# Altium PCB RFSoC-AMC.PcbDoc (part 2 of 12)
Units mm, origin at the board's own origin, x right, y up, seen from the top; angles counter-clockwise.
Board outline 180.55 x 148.45 mm, 10 copper layers (Layer 1, Layer 2, Layer 3, Layer 4, Layer 5, Layer 6, Layer 7, Layer 8, Layer 9, Layer 10), stack 1.544 mm thick; 793 components, 796 nets, 7654 pads, 16 vias.
Unrouted connection lines stored in the file: 2880.
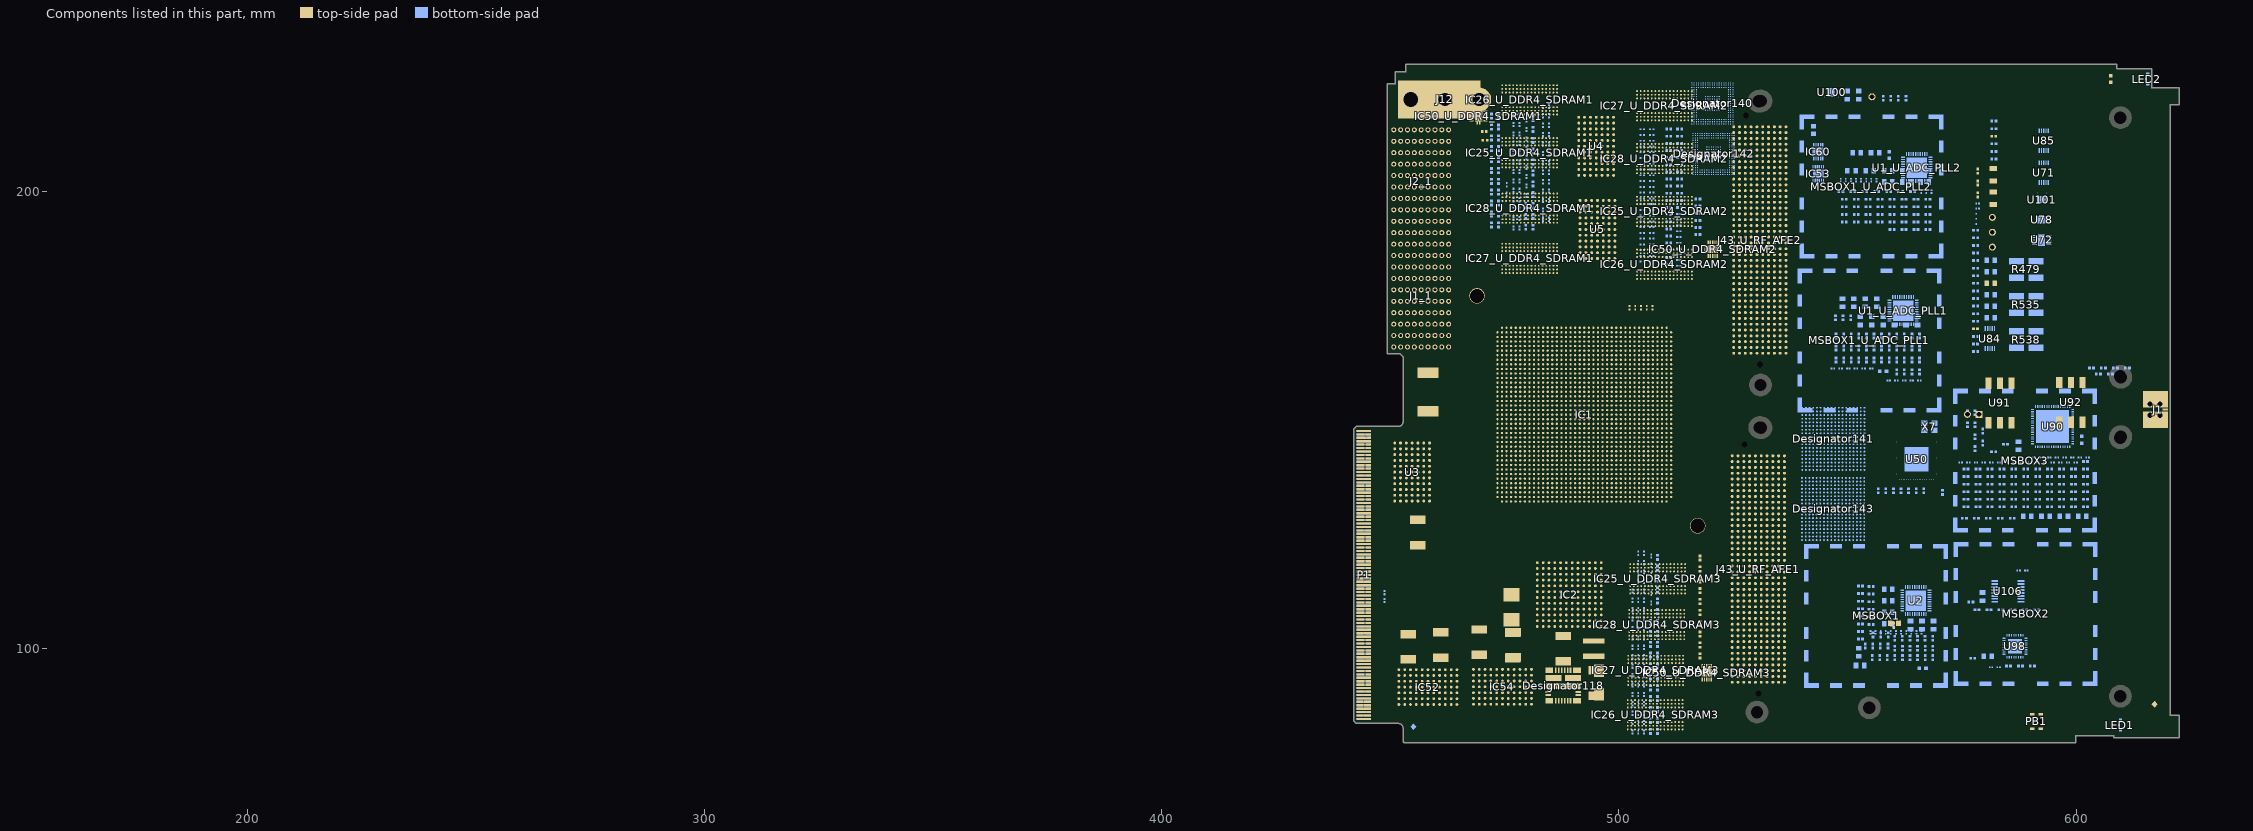
[diagram p10: the components of this part, seen from the top]

## Components (designator, comment, footprint, x,y, rotation, side; value= is the part's Value field where it differs from the comment) (continued)
C655_U_ADC_PLL1 "1UF" 0402 550.701,172.392 r90 bottom (schematic designator C655)
C655_U_ADC_PLL2 "1UF" 0402 551.177,199.973 r180 bottom (schematic designator C655)
C656_U_ADC_PLL1 "0.068UF" 0402 559.117,168.384 r90 bottom (schematic designator C656)
C656_U_ADC_PLL2 "0.068UF" 0402 553.79,199.973 r180 bottom (schematic designator C656)
C657_U_ADC_PLL1 "390PF" 0402 557.459,168.384 r90 bottom (schematic designator C657)
C657_U_ADC_PLL2 "390PF" 0402 559.757,193.322 r180 bottom (schematic designator C657)
C658_U_ADC_PLL1 "1800PF" 0402 560.775,168.384 r90 bottom (schematic designator C658)
C658_U_ADC_PLL2 "1800PF" 0402 557.143,193.322 r180 bottom (schematic designator C658)
C659_U_ADC_PLL1 "DNP" 0402 564.091,168.384 r90 bottom (schematic designator C659)
C659_U_ADC_PLL2 "DNP" 0402 554.529,193.322 r180 bottom (schematic designator C659)
C660_U_ADC_PLL1 "10UF" 0805 553.908,175.69 r90 bottom (schematic designator C660)
C660_U_ADC_PLL2 "10UF" 0805 552.031,208.475 r180 bottom (schematic designator C660)
C661_U_ADC_PLL1 "10UF" 0805 552.784,171.682 r90 bottom (schematic designator C661)
C661_U_ADC_PLL2 "10UF" 0805 562.906,202.056 r180 bottom (schematic designator C661)
C662_U_ADC_PLL1 "1UF" 0402 562.433,168.384 r90 bottom (schematic designator C662)
C662_U_ADC_PLL2 "1UF" 0402 567.598,193.322 r180 bottom (schematic designator C662)
C663_U_ADC_PLL1 "10UF" 0805 555.292,171.682 r90 bottom (schematic designator C663)
C663_U_ADC_PLL2 "10UF" 0805 554.89,204.564 r180 bottom (schematic designator C663)
C664_U_ADC_PLL1 "0.1UF" 0402 554.143,165.77 r90 bottom (schematic designator C664)
C664_U_ADC_PLL2 "0.1UF" 0402 564.985,193.322 r180 bottom (schematic designator C664)
C665_U_ADC_PLL1 "0.1UF" 0402 550.827,163.156 r90 bottom (schematic designator C665)
C665_U_ADC_PLL2 "0.1UF" 0402 562.371,193.322 r180 bottom (schematic designator C665)
C666 "100PF" 0402 555.174,105.311 r0 bottom
C667 "DNP" 0402 560.362,100.096 r90 bottom
C668 "10UF" 0805 560.276,105.546 r180 top
C669 "10UF" 0805 568.796,105.177 r90 bottom
C670 "0.1UF" 0402 563.678,100.096 r90 bottom
C671 "10UF" 0805 566.288,105.177 r90 bottom
C672 "0.1UF" 0402 562.02,100.096 r90 bottom
C673 "100PF" 0402 555.174,106.969 r0 bottom
C674 "0.1UF" 0402 555.174,113.601 r0 bottom
C675 "100PF" 0402 568.637,102.285 r90 bottom
C676 "10UF" 0805 552.453,99.254 r270 bottom
C677 "10UF" 0805 552.757,96.308 r0 bottom
C678 "0.1UF" 0402 560.123,105.096 r270 top
C679 "10UF" 0805 563.78,105.177 r90 bottom
C680 "0.1UF" 0402 555.174,111.943 r0 bottom
C681 "DNP" 0402 555.174,108.627 r0 bottom
C682 "100PF" 0402 555.174,110.285 r0 bottom
C718_U_ADC_PLL1 "100PF" 0402 549.169,163.156 r90 bottom (schematic designator C718)
C718_U_ADC_PLL2 "100PF" 0402 564.985,191.664 r180 bottom (schematic designator C718)
C719 "0.1UF" 0402 565.336,100.096 r90 bottom
C720 "0.1UF" 0402 563.683,98.038 r90 bottom
C721 "0.1UF" 0402 562.025,98.038 r90 bottom
C722 "0.1UF" 0402 565.341,98.038 r90 bottom
C723 "0.1UF" 0402 568.657,98.038 r90 bottom
C724 "1UF" 0402 566.999,98.038 r90 bottom
C725 "10UF" 0805 558.904,112.996 r0 bottom
C726 "1UF" 0402 560.367,98.038 r90 bottom
C727 "0.068UF" 0402 568.652,100.096 r90 bottom
C728 "390PF" 0402 566.994,100.096 r90 bottom
C730 "0.1UF" 0402 596.832,135.995 r0 bottom
C731 "0.1UF" 0402 588.991,139.311 r0 bottom
C732 "10UF" 0805 587.403,144.406 r90 bottom
C733 "1UF" 0402 581.149,137.653 r0 bottom
C734 "0.1UF" 0402 602.06,139.311 r0 bottom
C735 "1UF" 0402 599.446,139.311 r0 bottom
C736 "1UF" 0402 578.536,137.653 r0 bottom
C737 "0.1UF" 0402 575.922,137.653 r0 bottom
C738 "0.1UF" 0402 591.605,131.021 r0 bottom
C739 "0.1UF" 0402 588.991,131.021 r0 bottom
C740 "0.1UF" 0402 594.218,131.021 r0 bottom
C741 "0.1UF" 0402 599.446,131.021 r0 bottom
C742 "0.1UF" 0402 596.832,131.021 r0 bottom
C743 "0.1UF" 0402 578.536,131.021 r0 bottom
C744 "0.1UF" 0402 575.922,131.021 r0 bottom
C745 "0.1UF" 0402 581.149,131.021 r0 bottom
C746 "0.1UF" 0402 586.377,131.021 r0 bottom
C747 "0.1UF" 0402 583.763,131.021 r0 bottom
C748 "0.1UF" 0402 580.8,128.513 r0 bottom
C749 "0.1UF" 0402 583.414,128.513 r0 bottom
C750 "0.1UF" 0402 586.028,128.513 r0 bottom
C751 "10UF" 0805 593.334,128.938 r0 bottom
C752 "10UF" 0805 597.342,128.938 r0 bottom
C753 "1UF" 0402 578.186,128.513 r0 bottom
C754 "0.1UF" 0402 586.377,132.679 r0 bottom
C755 "100nF" CAPC0603X33N 448.751,112.259 r270 bottom
C758 "0.1UF" 0402 588.991,132.679 r0 bottom
C759 "0.1UF" 0402 581.149,132.679 r0 bottom
C761 "0.1UF" 0402 583.763,132.679 r0 bottom
C762 "0.1UF" 0402 591.605,132.679 r0 bottom
C763 "10UF" 0805 601.35,128.938 r0 bottom
C764 "0.1UF" 0402 599.446,132.679 r0 bottom
C765 "1000PF" 0402 602.06,132.679 r0 bottom
C766 "0.1UF" 0402 594.218,132.679 r0 bottom
C767 "0.1UF" 0402 596.832,132.679 r0 bottom
C768 "DNP" 0402 591.605,134.337 r0 bottom
C769 "0.1UF" 0402 594.218,134.337 r0 bottom
C770 "0.1UF" 0402 586.377,134.337 r0 bottom
C771 "0.1UF" 0402 588.991,134.337 r0 bottom
C772 "2200PF" 0402 596.832,134.337 r0 bottom
C773 "18PF" 0402 575.922,132.679 r0 bottom
C774 "10UF" 0805 589.326,128.938 r0 bottom
C775 "0.1UF" 0402 578.536,132.679 r0 bottom
C776 "DNP" 0402 599.446,134.337 r0 bottom
C777 "0.033UF" 0402 602.06,134.337 r0 bottom
C778 "680PF" 0402 602.06,131.021 r0 bottom
C779 "0.1UF" 0402 575.573,128.513 r0 bottom
C780 "0.1UF" 0402 604.884,160.069 r0 bottom
C781 "0.1UF" 0402 607.498,160.069 r0 bottom
C782 "1UF" 0402 579.572,144.968 r90 bottom
C783 "0.1UF" 0402 577.914,151.595 r90 bottom
C784 "0.1UF" 0402 579.572,147.582 r90 bottom
C808 "1800PF" 0402 555.393,98.038 r90 bottom
C809 "DNP" 0402 558.709,98.038 r90 bottom
C810 "10UF" 0805 558.904,105.472 r0 bottom
C811 "10UF" 0805 558.904,107.98 r0 bottom
C812 "1UF" 0402 557.051,98.038 r90 bottom
C813 "10UF" 0805 558.904,110.488 r0 bottom
C814 "0.1UF" 0402 566.979,102.285 r90 bottom
C815 "0.1UF" 0402 552.842,107.083 r0 bottom
C819 "DNP" CAPC0603X33N 448.751,110.559 r90 bottom
C821 "10UF" 0805 579.546,111.409 r90 bottom
C822 "1UF" 0402 588.788,108.532 r0 bottom
C823 "0.1UF" 0402 591.402,108.532 r0 bottom
C824 "1UF" 0402 590.452,96.213 r0 bottom
C827 "10UF" 0805 549.972,221.087 r270 bottom
C828 "0.047UF" 0402 557.814,220.378 r270 bottom
C829 "0.01UF" 0402 562.788,220.378 r270 bottom
C873 "22UF" 1206 581.896,203.697 r270 top
C874 "22UF" 1206 581.902,198.539 r90 top
C920 "100nF" CAPC1608X87N 542.569,213.449 r270 bottom
C948_U_ADC_PLL1 "DNP" 0402 552.485,163.156 r90 bottom (schematic designator C948)
C948_U_ADC_PLL2 "DNP" 0402 562.371,191.664 r180 bottom (schematic designator C948)
C949_U_ADC_PLL1 "DNP" 0402 555.801,163.156 r90 bottom (schematic designator C949)
C949_U_ADC_PLL2 "DNP" 0402 559.757,191.664 r180 bottom (schematic designator C949)
C952 "0.1UF" 0402 577.394,97.915 r0 bottom
C953 "10UF" 0805 580.692,98.34 r0 bottom
C954 "0.01UF" 0201 565.077,103.582 r90 bottom
C955 "0.01UF" 0201 563.959,103.582 r90 bottom
C960_U_ADC_PLL1 "0.01UF" 0201 564.063,158.664 r180 bottom (schematic designator C960)
C960_U_ADC_PLL2 "0.01UF" 0201 556.335,202.471 r90 bottom (schematic designator C960)
C961_U_ADC_PLL1 "0.01UF" 0201 565.74,158.664 r180 bottom (schematic designator C961)
C961_U_ADC_PLL2 "0.01UF" 0201 568.359,199.963 r90 bottom (schematic designator C961)
C962_U_ADC_PLL1 "0.01UF" 0201 546.814,161.278 r180 bottom (schematic designator C962)
C962_U_ADC_PLL2 "0.01UF" 0201 548.512,202.471 r90 bottom (schematic designator C962)
C963_U_ADC_PLL1 "0.01UF" 0201 559.034,158.664 r180 bottom (schematic designator C963)
C963_U_ADC_PLL2 "0.01UF" 0201 566.124,199.963 r90 bottom (schematic designator C963)
C964 "0.01UF" 0201 574.756,140.699 r0 bottom
C965 "0.01UF" 0201 602.516,141.817 r0 bottom
C966 "0.01UF" 0201 600.839,141.817 r0 bottom
C967 "0.01UF" 0201 579.785,140.699 r0 bottom
C968 "0.01UF" 0201 578.109,140.699 r0 bottom
C969 "0.01UF" 0201 576.432,140.699 r0 bottom
C970 "0.01UF" 0201 594.134,141.817 r0 bottom
C971 "0.01UF" 0201 592.457,141.817 r0 bottom
C972 "0.01UF" 0201 590.781,141.817 r0 bottom
C973 "0.01UF" 0201 599.163,141.817 r0 bottom
C974 "0.01UF" 0201 597.487,141.817 r0 bottom
C975 "0.01UF" 0201 595.81,141.817 r0 bottom
C976 "0.01UF" 0201 594.873,140.699 r0 bottom
C977 "0.01UF" 0201 593.196,140.699 r0 bottom
C978 "0.01UF" 0201 591.52,140.699 r0 bottom
C979 "0.01UF" 0201 599.902,140.699 r0 bottom
C980 "0.01UF" 0201 598.226,140.699 r0 bottom
C981 "0.01UF" 0201 596.549,140.699 r0 bottom
C982 "0.01UF" 0201 584.814,140.699 r0 bottom
C983 "0.01UF" 0201 581.39,95.943 r0 bottom
C984 "0.01UF" 0201 583.067,95.943 r0 bottom
C985 "0.01UF" 0201 587.428,117.105 r0 bottom
C986 "0.01UF" 0201 589.105,117.105 r0 bottom
C987 "0.01UF" 0201 583.138,140.699 r0 bottom
C988 "0.01UF" 0201 581.462,140.699 r0 bottom
C989 "0.01UF" 0201 578.482,197.375 r0 bottom
C990 "10UF" 0805 581.324,184.952 r0 bottom
C991 "1UF" 0402 582.034,210.421 r0 bottom
C992 "0.1UF" 0402 578.026,186.543 r0 bottom
C993 "0.01UF" 0201 578.482,196.258 r0 bottom
C1006_U_ADC_PLL1 "100PF" 0201 560.71,158.664 r180 bottom (schematic designator C1006)
C1006_U_ADC_PLL2 "100PF" 0201 567.242,199.963 r90 bottom (schematic designator C1006)
C1007_U_ADC_PLL1 "100PF" 0201 562.387,158.664 r180 bottom (schematic designator C1007)
C1007_U_ADC_PLL2 "100PF" 0201 552.982,202.471 r90 bottom (schematic designator C1007)
C1008_U_ADC_PLL1 "100PF" 0201 553.52,161.278 r180 bottom (schematic designator C1008)
C1008_U_ADC_PLL2 "100PF" 0201 554.1,202.471 r90 bottom (schematic designator C1008)
C1009_U_ADC_PLL1 "100PF" 0201 555.196,161.278 r180 bottom (schematic designator C1009)
C1009_U_ADC_PLL2 "100PF" 0201 555.218,202.471 r90 bottom (schematic designator C1009)
C1014 "100PF" 0201 558.371,103.582 r90 bottom
C1015 "100PF" 0201 561.724,103.582 r90 bottom
C1016 "100PF" 0201 560.607,103.582 r90 bottom
C1017 "100PF" 0201 559.489,103.582 r90 bottom
C1018_U_ADC_PLL1 "DNP" 0402 554.143,163.156 r90 bottom (schematic designator C1018)
C1018_U_ADC_PLL2 "DNP" 0402 551.916,193.322 r180 bottom (schematic designator C1018)
C1019_U_ADC_PLL1 "DNP" 0402 562.433,160.542 r90 bottom (schematic designator C1019)
C1019_U_ADC_PLL2 "DNP" 0402 549.302,193.322 r180 bottom (schematic designator C1019)
C1022 "DNP" 0402 552.842,108.741 r0 bottom
C1023 "DNP" 0402 552.842,103.767 r0 bottom
C1024 "DNP" 0402 552.842,105.425 r0 bottom
C1025 "DNP" 0402 552.842,113.715 r0 bottom
C1031 "DNP" 0402 588.991,137.653 r0 bottom
C1034 "DNP" 0402 591.605,137.653 r0 bottom
Designator110 "Comment" 342947 493.106,152.023 r180 top
Designator118 "Comment" "TEXAS_QFM (MOL)" 487.807,91.948 r90 top
Designator119 "Comment" IND_BOURNS_SRP6540 476.809,100.762 r90 top
Designator120 "Comment" IND_COILCRAFT_XAL5020 494.513,100.025 r90 top
Designator121 "Comment" IND_TDK_SPM6530 495.046,92.507 r90 top
Designator122 "Comment" IND_WURTH_WE-HCI_7050 495.63,92.608 r90 top
Designator123 "Comment" IND_WURTH_WE-LHMI_7030 476.479,109.068 r90 top
Designator140 "Comment" CPG236 520.455,219.251 r90 bottom
Designator141 "Comment" BGA324C80P18X18_1500X1500X150 546.919,145.904 r90 bottom
Designator142 "Comment" CPG236 520.725,208.204 r90 bottom
Designator143 "Comment" BGA324C80P18X18_1500X1500X150 546.862,130.556 r90 bottom
DS34_U_ADC_PLL1 "LED-GRN-SMT" LED_0603 557.787,160.719 r180 bottom (schematic designator DS34)
DS34_U_ADC_PLL2 "LED-GRN-SMT" LED_0603 559.16,207.977 r90 bottom (schematic designator DS34)
DS44 "LED-GRN-SMT" LED_0603 566.423,95.698 r180 bottom
DS45 "LED-GRN-SMT" LED_0603 601.22,145.714 r90 bottom
F1 "1.5A-15V" FUSR_TYCO_SMD150F-2 458.271,156.134 r90 top
FP2 "RTM_FRONTPANEL" RTM_FRONTPANEL 623.369,116.13 r0 top (schematic designator FP1)
FTG3 "Use only in PCB" FIDUCIAL_TOP_S100-200 455.071,82.929 r90 bottom
FTG5 "Use only in PCB" FIDUCIAL_TOP_S100-200 617.171,87.829 r90 top
FTG7 "Use only in PCB" FIDUCIAL_TOP_S100-200 617.171,87.829 r90 bottom
IC1 "XCZU27DR-1FSVG1517E" "XILINX_FSVG1517 (XCZU27DR)" 492.436,151.194 r180 top
IC2 "LTM4677IY#PBF" BGA144C127P12X12_1600X1600X521 489.153,111.836 r0 top
IC25_U_DDR4_SDRAM1 "MT40A512M16HA-083E:A" BGA96C80P9X16_900X1400X120 480.493,208.473 r90 top (schematic designator IC25)
IC25_U_DDR4_SDRAM2 "MT40A512M16HA-083E:A" BGA96C80P9X16_900X1400X120 509.98,195.641 r90 top (schematic designator IC25)
IC25_U_DDR4_SDRAM3 "MT40A512M16HA-083E:A" BGA96C80P9X16_900X1400X120 508.488,115.291 r270 top (schematic designator IC25)
IC26_U_DDR4_SDRAM1 "MT40A512M16HA-083E:A" BGA96C80P9X16_900X1400X120 480.493,220.031 r90 top (schematic designator IC26)
IC26_U_DDR4_SDRAM2 "MT40A512M16HA-083E:A" BGA96C80P9X16_900X1400X120 509.98,184.083 r90 top (schematic designator IC26)
IC26_U_DDR4_SDRAM3 "MT40A512M16HA-083E:A" BGA96C80P9X16_900X1400X120 507.935,85.547 r270 top (schematic designator IC26)
IC27_U_DDR4_SDRAM1 "MT40A512M16HA-083E:A" BGA96C80P9X16_900X1400X120 480.493,185.357 r90 top (schematic designator IC27)
IC27_U_DDR4_SDRAM2 "MT40A512M16HA-083E:A" BGA96C80P9X16_900X1400X120 509.98,218.757 r90 top (schematic designator IC27)
IC27_U_DDR4_SDRAM3 "MT40A512M16HA-083E:A" BGA96C80P9X16_900X1400X120 508.056,95.255 r270 top (schematic designator IC27)
IC28_U_DDR4_SDRAM1 "MT40A512M16HA-083E:A" BGA96C80P9X16_900X1400X120 480.539,196.342 r90 top (schematic designator IC28)
IC28_U_DDR4_SDRAM2 "MT40A512M16HA-083E:A" BGA96C80P9X16_900X1400X120 509.98,207.199 r90 top (schematic designator IC28)
IC28_U_DDR4_SDRAM3 "MT40A512M16HA-083E:A" BGA96C80P9X16_900X1400X120 508.285,105.255 r270 top (schematic designator IC28)
IC50_U_DDR4_SDRAM1 "TPS51200DRCT" "TEXAS_DRC (S-PVSON-N10)" 469.31,216.508 r180 top (schematic designator IC50)
IC50_U_DDR4_SDRAM2 "TPS51200DRCT" "TEXAS_DRC (S-PVSON-N10)" 520.514,187.383 r90 top (schematic designator IC50)
IC50_U_DDR4_SDRAM3 "TPS51200DRCT" "TEXAS_DRC (S-PVSON-N10)" 519.225,94.752 r90 top (schematic designator IC50)
IC52 "Comment" BGA77C127P7X11_900X1500X512 458.241,91.609 r270 top
IC53 "SN74CB3T3257PW" SON45P300X300X80-7N-R170X240 543.619,203.903 r90 bottom
IC54 "Comment" BGA77C127P7X11_900X1500X512 474.548,91.664 r270 top
IC60 "TXB0304RUTR" SON50P300X300X80-11N-R175X248 543.619,208.716 r270 bottom
J1 "SMA" CINCH_142-0761-881 619.508,152.28 r180 top
J1_1 "Advanced TCA" TYCO_6469081-1 456.771,177.229 r180 top (schematic designator J1)
J2_1 "Advanced TCA" TYCO_6469081-1 456.771,202.229 r180 top (schematic designator J2)
J11 "DNP" TP_KEY_MINI 581.702,187.832 r90 bottom
J12 "Family" TYCO_5120913-1 461.971,220.129 r180 top
J43_U_RF_AFE1 "VITA 57" SAMTEC_ASP-134488-01 530.504,117.424 r270 top (schematic designator J43)
J43_U_RF_AFE2 "VITA 57" SAMTEC_ASP-134488-01 530.835,189.382 r270 top (schematic designator J43)
J63 "DNP" TP_KEY_MINI 555.359,220.709 r0 bottom
J82 "DNP" TP_KEY_MINI 581.702,191.083 r90 bottom
J88 "DNP" TP_KEY_MINI 581.702,194.334 r90 bottom
J110 "HDR_1X2" HDR_1X2 578.775,151.264 r180 bottom
L43_U_ADC_PLL1 "15NH" 0402 560.775,160.542 r90 bottom (schematic designator L43)
L43_U_ADC_PLL2 "15NH" 0402 567.598,191.664 r180 bottom (schematic designator L43)
L44_U_ADC_PLL1 "15NH" 0402 564.091,160.542 r90 bottom (schematic designator L44)
L44_U_ADC_PLL2 "15NH" 0402 549.302,194.98 r180 bottom (schematic designator L44)
L52 "15NH" 0402 583.763,137.653 r0 bottom
L53 "15NH" 0402 586.377,137.653 r0 bottom
L54 "15NH" 0402 596.832,139.311 r0 bottom
L55 "15NH" 0402 578.536,139.311 r0 bottom
L56 "15NH" 0402 581.149,139.311 r0 bottom
L57 "15NH" 0402 602.06,140.969 r0 bottom
L58 "15NH" 0402 575.922,139.311 r0 bottom
L59 "15NH" 0402 583.763,139.311 r0 bottom
L60 "15NH" 0402 591.605,139.311 r0 bottom
L60_1 "0.0000015" IND_TDK_SPM6530 476.86,100.863 r270 top
L61 "15NH" 0402 594.218,139.311 r0 bottom
L62 "15NH" 0402 586.377,139.311 r0 bottom
L65 "15NH" 0402 552.842,112.057 r0 bottom
L68 "15NH" 0402 552.842,110.399 r0 bottom
L70 "15NH" 0402 576.998,110.234 r0 bottom
L73 "15NH" 0402 585.225,96.213 r0 bottom
L74 "15NH" 0402 582.008,212.079 r180 top
L96 "0.0000015" IND_TDK_SPM6530 469.494,101.429 r90 top
L97 "0.0000015" IND_TDK_SPM6530 453.974,100.432 r270 top
L98 "0.0000015" IND_TDK_SPM6530 487.883,100 r90 top
L99 "0.0000015" IND_TDK_SPM6530 456.032,125.4 r270 top
L100 "0.0000015" IND_TDK_SPM6530 461.01,100.813 r270 top
LED1 "Blue" LED_AVAGO_HSME-C120rev 609.741,83.299 r270 bottom
LED2 "Green" LED_AVAGO_HSME-C120rev 615.671,224.589 r270 bottom
LED17 "LED0603-P-RW120 or LYN971-Z" LED_0603R 607.571,223.882 r90 top
MSBOX1 "Metal Screening Box 4x5 Pins" MSBOX_WURTH_36103305 556.245,107.201 r180 bottom
MSBOX1_U_ADC_PLL1 "Metal Screening Box 4x5 Pins" MSBOX_WURTH_36103305 554.797,167.428 r180 bottom (schematic designator MSBOX1)
MSBOX1_U_ADC_PLL2 "Metal Screening Box 4x5 Pins" MSBOX_WURTH_36103305 555.254,201.079 r180 bottom (schematic designator MSBOX1)
MSBOX2 "Metal Screening Box 4x5 Pins" MSBOX_WURTH_36103305 588.965,107.591 r90 bottom
MSBOX3 "Metal Screening Box 4x5 Pins" MSBOX_WURTH_36103305 588.809,141.114 r180 bottom
P1 "AMC-CN-2S-M-R274" AMC-GF-2D-750-O274 444.221,116.129 r90 bottom
PB1 "Push Button" SW_C&K_HDT0001 591.321,84.079 r180 top
R8_U_ADC_PLL1 "0" 0402 547.511,163.156 r90 bottom (schematic designator R8)
R8_U_ADC_PLL2 "0" 0402 551.916,196.638 r180 bottom (schematic designator R8)
R53 "12.0K" 0201 589.844,140.699 r0 bottom
R54 "0" 0201 588.167,140.699 r0 bottom
R55 "0" 0201 586.491,140.699 r0 bottom
R73_U_ADC_PLL1 "12.0K" 0201 548.49,161.278 r180 bottom (schematic designator R73)
R73_U_ADC_PLL2 "12.0K" 0201 549.63,202.471 r90 bottom (schematic designator R73)
R79_U_ADC_PLL1 "12.0K" 0201 550.167,161.278 r180 bottom (schematic designator R79)
R79_U_ADC_PLL2 "12.0K" 0201 550.747,202.471 r90 bottom (schematic designator R79)
R97_U_ADC_PLL1 "49.9" 0402 565.749,160.542 r90 bottom (schematic designator R97)
R97_U_ADC_PLL2 "49.9" 0402 549.302,196.638 r180 bottom (schematic designator R97)
R194_U_ADC_PLL1 "12.0K" 0201 551.843,161.278 r180 bottom (schematic designator R194)
R194_U_ADC_PLL2 "12.0K" 0201 551.865,202.471 r90 bottom (schematic designator R194)
R222_U_DDR4_SDRAM1 "39" RESC1005X40N 473.7,204.595 r90 bottom (schematic designator R222)
R222_U_DDR4_SDRAM2 "39" RESC1005X40N 510.909,212.081 r180 bottom (schematic designator R222)
R222_U_DDR4_SDRAM3 "39" RESC1005X40N 517.748,115.066 r90 top (schematic designator R222)
R223_U_DDR4_SDRAM1 "39" RESC1005X40N 473.7,206.973 r90 bottom (schematic designator R223)
R223_U_DDR4_SDRAM2 "39" RESC1005X40N 510.909,210.523 r180 bottom (schematic designator R223)
R223_U_DDR4_SDRAM3 "39" RESC1005X40N 517.748,117.444 r90 top (schematic designator R223)
R224_U_DDR4_SDRAM1 "39" RESC1005X40N 473.7,199.839 r90 bottom (schematic designator R224)
R224_U_DDR4_SDRAM2 "39" RESC1005X40N 517.286,190.571 r180 bottom (schematic designator R224)
R224_U_DDR4_SDRAM3 "39" RESC1005X40N 517.748,110.31 r90 top (schematic designator R224)
R225_U_DDR4_SDRAM1 "39" RESC1005X40N 473.7,202.217 r90 bottom (schematic designator R225)
R225_U_DDR4_SDRAM2 "39" RESC1005X40N 510.909,213.639 r180 bottom (schematic designator R225)
R225_U_DDR4_SDRAM3 "39" RESC1005X40N 517.748,112.688 r90 top (schematic designator R225)
R226_U_DDR4_SDRAM1 "39" RESC1005X40N 481.201,211.196 r90 bottom (schematic designator R226)
R226_U_DDR4_SDRAM2 "39" RESC1005X40N 513.287,204.291 r180 bottom (schematic designator R226)
R226_U_DDR4_SDRAM3 "39" RESC1005X40N 506.926,93.826 r90 bottom (schematic designator R226)
R227_U_DDR4_SDRAM1 "39" RESC1005X40N 481.201,213.574 r90 bottom (schematic designator R227)
R227_U_DDR4_SDRAM2 "39" RESC1005X40N 513.287,202.733 r180 bottom (schematic designator R227)
R227_U_DDR4_SDRAM3 "39" RESC1005X40N 506.926,96.204 r90 bottom (schematic designator R227)
R228_U_DDR4_SDRAM1 "39" RESC1005X40N 481.201,208.818 r90 bottom (schematic designator R228)
R228_U_DDR4_SDRAM2 "39" RESC1005X40N 513.287,205.849 r180 bottom (schematic designator R228)
R228_U_DDR4_SDRAM3 "39" RESC1005X40N 506.926,91.448 r90 bottom (schematic designator R228)
R229_U_DDR4_SDRAM1 "39" RESC1005X40N 481.201,204.062 r90 bottom (schematic designator R229)
R229_U_DDR4_SDRAM2 "39" RESC1005X40N 513.287,208.965 r180 bottom (schematic designator R229)
R229_U_DDR4_SDRAM3 "39" RESC1005X40N 506.926,86.692 r90 bottom (schematic designator R229)
R230_U_DDR4_SDRAM1 "39" RESC1005X40N 481.201,206.44 r90 bottom (schematic designator R230)
R230_U_DDR4_SDRAM2 "39" RESC1005X40N 513.287,207.407 r180 bottom (schematic designator R230)
R230_U_DDR4_SDRAM3 "39" RESC1005X40N 506.926,89.07 r90 bottom (schematic designator R230)
R231_U_DDR4_SDRAM1 "39" RESC1005X40N 479.643,194.55 r90 bottom (schematic designator R231)
R231_U_DDR4_SDRAM2 "39" RESC1005X40N 513.287,198.059 r180 bottom (schematic designator R231)
R231_U_DDR4_SDRAM3 "39" RESC1005X40N 506.926,103.338 r90 bottom (schematic designator R231)
R232_U_DDR4_SDRAM1 "39" RESC1005X40N 479.643,196.928 r90 bottom (schematic designator R232)
R232_U_DDR4_SDRAM2 "39" RESC1005X40N 513.287,196.501 r180 bottom (schematic designator R232)
R232_U_DDR4_SDRAM3 "39" RESC1005X40N 506.926,105.716 r90 bottom (schematic designator R232)
R233_U_DDR4_SDRAM1 "39" RESC1005X40N 481.201,215.952 r90 bottom (schematic designator R233)
R233_U_DDR4_SDRAM2 "39" RESC1005X40N 513.287,201.175 r180 bottom (schematic designator R233)
R233_U_DDR4_SDRAM3 "39" RESC1005X40N 506.926,98.582 r90 bottom (schematic designator R233)
R234_U_DDR4_SDRAM1 "39" RESC1005X40N 479.643,192.172 r90 bottom (schematic designator R234)
R234_U_DDR4_SDRAM2 "39" RESC1005X40N 513.287,199.617 r180 bottom (schematic designator R234)
R234_U_DDR4_SDRAM3 "39" RESC1005X40N 506.926,100.96 r90 bottom (schematic designator R234)
R235_U_DDR4_SDRAM1 "39" RESC1005X40N 481.201,201.684 r90 bottom (schematic designator R235)
R235_U_DDR4_SDRAM2 "39" RESC1005X40N 513.287,210.523 r180 bottom (schematic designator R235)
R235_U_DDR4_SDRAM3 "39" RESC1005X40N 506.926,84.314 r90 bottom (schematic designator R235)
R236_U_DDR4_SDRAM1 "39" RESC1005X40N 472.142,211.729 r90 bottom (schematic designator R236)
R236_U_DDR4_SDRAM2 "39" RESC1005X40N 510.909,190.269 r180 bottom (schematic designator R236)